# Altium PCB Power_Management_Board.PcbDoc (part 2 of 2)
Units mm, origin at the board's own origin, x right, y up, seen from the top; angles counter-clockwise.
Board outline 210 x 130 mm, 4 copper layers (Top Layer, Layer 1, Layer 2, Bottom Layer), stack 1.606 mm thick; 145 components, 102 nets, 624 pads, 311 vias.
Unrouted connection lines stored in the file: 16.
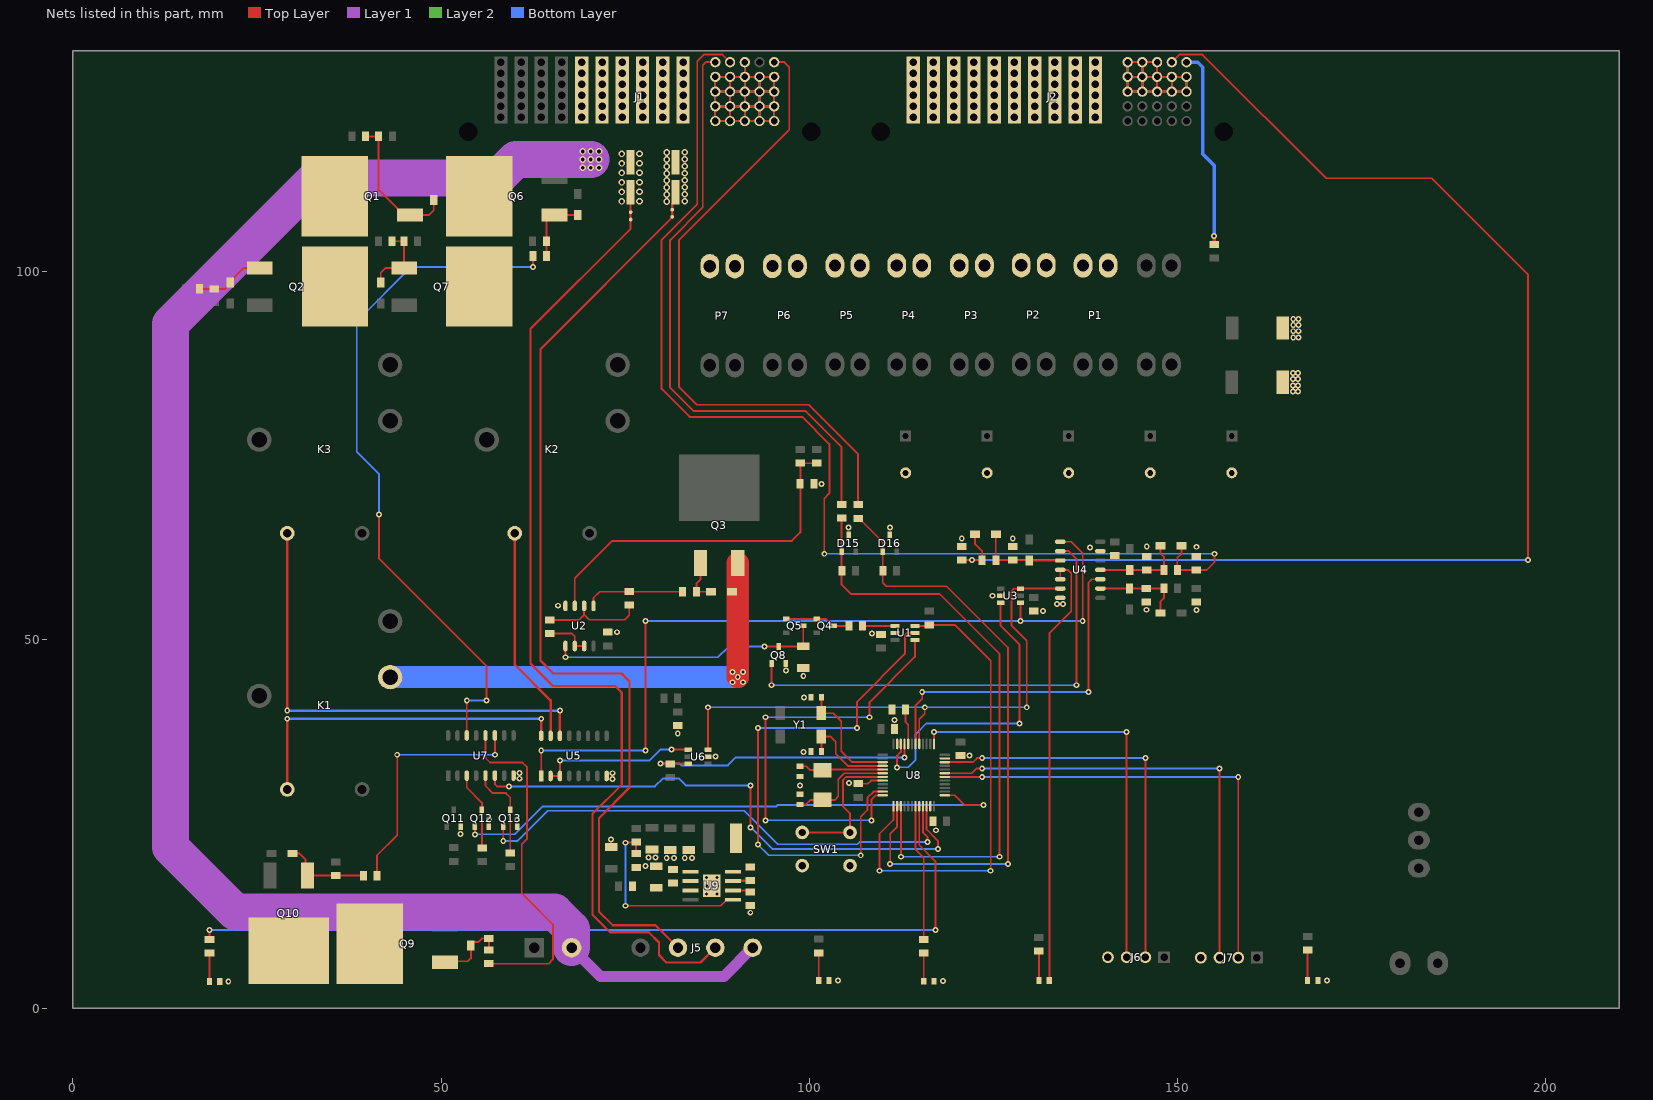
[diagram p4: the nets of this part, all layers, seen from the top]

## Via types
v1: diameter 0.8, hole 0.4, Top Layer to Bottom Layer, tented both sides, 268 vias
v2: diameter 0.9, hole 0.5, Top Layer to Bottom Layer, tented both sides, 37 vias
v3: diameter 0.7, hole 0.4, Top Layer to Bottom Layer, 6 vias

## Nets (pads, with @x,y where several pads share a name; then routed paths per layer and width w, separated by ;. In a path a pad name is that pad's centre, name@x,y a point inside that pad or via, vN(x,y) a via of type N, cw(c..) or ccw(c..) an arc to the next point about the centre after c; other vN are vias at no path point) (continued)
B2_EN_LED: R4.1 U8.19 | length 18.6
  Top Layer w0.25: U8.19@114.45,27.425 114.45,21.5 115.55,20.4 R4.1@115.55,9.3
B2_OFF: Q12.1 U8.25 | length 77.5
  Top Layer w0.25: v1(54.6,23.6) Q12.1@54.6,24.65 ; U8.25@118.425,28.9 119.75,28.9 121.05,27.6 v1(123.65,27.6)
  Bottom Layer w0.25: v1(54.6,23.6) 60,23.6 63.8,27.4 95.55,27.4 95.75,27.6 v1(123.65,27.6)
B2_ON: R17.2 U7.14 | length 94.7
  Top Layer w0.25: v1(41.55,67.05) 41.55,61.1 56.155,46.495 v1(56.155,41.755) ; U7.14@53.495,37.025 v1(53.495,41.755) ; v1(62.475,100.675) R17.2@62.475,102.15
  Bottom Layer w0.25: v1(41.55,67.05) 41.55,72.55 38.55,75.55 38.55,93.25 45.975,100.675 v1(62.475,100.675) ; v1(53.495,41.755) v1(56.155,41.755)
B2_ON_CTRL: Q12.3 R25.2 U7.3 | length 10.7
  Top Layer w0.25: U7.3@53.495,31.575 53.495,29.955 55.55,27.9 Q12.3@55.55,26.95 55.55,21.8 R25.2@55.6,21.75
B2_PRSNT: U4.10 U8.42 | length 46.7
  Top Layer w0.25: U8.42@114.45,35.875 114.45,41.1 115.35,42 v1(115.35,42.95) ; v1(137.95,42.948) 137.95,57.8 138.4,58.25 U4.10@139.55,58.25
  Bottom Layer w0.25: v1(115.35,42.95) v1(137.95,42.948)
B2_PRSNT_EXT: D10.1 J1.A4 R30.1 R31.2 | length 156
  Top Layer w0.25: J1.A4@89.25,128.475 88.225,129.5 85.7,129.5 84.8,128.6 84.8,109.2 79.95,104.35 79.95,84.1 83.75,80.3 99.05,80.3 102.75,76.6 102.75,69.9 102.05,69.2 v1(102.05,61.7) ; D10.1@150.575,62.8 150.575,61.725 150,61.15 150,59.525 R30.1@150.025,59.5 R31.2@152.6,59.5 154,59.5 155.05,60.55 v1(155.05,61.7)
  Bottom Layer w0.25: v1(102.05,61.7) v1(155.05,61.7)
BGND: J1.3 J1.4 J1.5 J1.6 J4.2 J5.4 P9.2 R1.2 R2.2 | length 229.6
  Top Layer w0.3: J4.2@75.75,108.1 R2.2@75.75,110.8
  Layer 1 w1.5: P9.2@67.73,8.2 71.63,4.3 88.43,4.3 J5.4@92.33,8.2
  Layer 1 w5: P9.2@67.73,8.2 67.73,10.72 65.4,13.05 22.05,13.05 13.25,21.85 13.25,92.95 33.05,112.75 57.65,112.75 60.15,115.25 v2(69.25,115.25) v2(70.35,115.25)
  other v2: 74.55,109.56 76.95,109.6 74.55,110.85 76.95,110.89 74.55,112.14 76.95,112.18 74.55,113.43 76.95,113.47 69.25,114.15 70.35,114.15 71.45,114.15 74.55,114.72 76.95,114.76 71.45,115.25 74.55,116.01 76.95,116.05 69.25,116.35 70.35,116.35 71.45,116.35
DAC_CS: R8.1 U1.6 U8.13 | length 65.6
  Top Layer w0.25: v1(109.55,18.65) 109.55,23.65 111.45,25.55 U8.13@111.45,27.425 ; U1.6@114.35,51.9 116.15,51.9 R8.1@116.3,52.05 119.75,52.05 124.65,47.15 v1(124.65,18.65)
  Bottom Layer w0.25: v1(109.55,18.65) v1(124.65,18.65)
ESTOP: U3.6 U4.6 U6.3 U8.41 | length 77.7
  Top Layer w0.25: U6.3@86.25,35.1 v1(86.25,40.85) ; U8.41@114.95,35.875 114.95,39.2 115.7,39.95 v1(115.7,40.85) ; v1(129.55,40.85) 129.55,49.9 127.5,51.95 127.5,56.65 127.8,56.95 U3.6@128.7,56.95 128.715,56.965 134.085,56.965 U4.6@134.1,56.98
  Bottom Layer w0.25: v1(86.25,40.85) v1(115.7,40.85) v1(129.55,40.85)
ESTOP_IN: D12.1 J2.A2 R32.1 R33.2 | length 182.2
  Top Layer w0.25: R33.2@120.725,60.85 v1(122.112,60.85) R32.1@123.5,60.85 123.5,62.05 122.5,63.05 D12.1@122.5,64.35 ; J2.A2@149.25,128.475 150.275,129.5 153.4,129.5 170.2,112.7 184.55,112.7 197.65,99.6 v1(197.65,60.85)
  Bottom Layer w0.25: v1(122.112,60.85) v1(197.65,60.85)
ESTOP_PWR: J2.A1 R5.1 | length 27.2
  Top Layer w0.5: R5.1@155,103.725 v1(155,104.85)
  Bottom Layer w0.5: J2.A1@151.25,128.475 152.775,128.475 153.45,127.8 153.45,116 155,114.45 v1(155,104.85)
GND: C1.1 C2.1 C3.2 C4.1 C5.1 C6.1 C7.1 C8.2 C9.2 C10.2 C11.2 C12.1 C13.2 C16.2 C17.2 C18.2 C19.2 C20.2 C21.2 C22.2 C23.2 C24.2 C26.2 C27.2 C28.2 C29.2 C30.2 C31.2 D15.3 D16.3 D17.1 D18.1 D19.1 D20.1 D21.1 D22.1 J1.1 J1.2 J1.A3 J1.B1 J1.B2 J1.B3 J1.B4 J1.B5 J1.C1 J1.C2 J1.C3 J1.C4 J1.C5 J1.D1 J1.D2 J1.D3 J1.D4 J1.D5 J1.E1 J1.E2 J1.E3 J1.E4 J1.E5 J2.A3 J2.A4 J2.A5 J2.B1 J2.B2 J2.B3 J2.B4 J2.B5 J2.C1 J2.C2 J2.C3 J2.C4 J2.C5 J3.2 J6.4 J7.4 Q8.2 Q11.2 Q12.2 Q13.2 R1.1 R2.1 R16.2 R29.1 R31.1 R33.1 R36.2 R42.2 R47.2 SW1.1 SW1.2 U1.2 U2.4 U3.2 U4.7 U4.13 U5.8 U6.2 U7.8 U8.8 U8.23 U8.35 U8.47 U9.1 U9.9 | length 306.4
  Top Layer w0.25: J1.A3@91.25,128.475 J1.B3@91.25,126.475 ; C11.2@106.65,30.475 107.975,30.475 108.4,30.9 U8.8@109.975,30.9 ; J1.D5@87.25,122.475 J1.C5@87.25,124.475 ; J1.D5@87.25,122.475 J1.E5@87.25,120.475 J1.E4@89.25,120.475 ; J1.D5@87.25,122.475 J1.D4@89.25,122.475 ; J1.C5@87.25,124.475 J1.B5@87.25,126.475 J1.B4@89.25,126.475 ; J1.C5@87.25,124.475 J1.C4@89.25,124.475 ; J1.E4@89.25,120.475 J1.D4@89.25,122.475 ; J1.E4@89.25,120.475 J1.E3@91.25,120.475 ; J1.D4@89.25,122.475 J1.C4@89.25,124.475 ; J1.D4@89.25,122.475 J1.D3@91.25,122.475 ; J1.C4@89.25,124.475 J1.B4@89.25,126.475 ; J1.C4@89.25,124.475 J1.C3@91.25,124.475 ; J1.B4@89.25,126.475 J1.B3@91.25,126.475 ; J1.E3@91.25,120.475 J1.D3@91.25,122.475 ; J1.E3@91.25,120.475 J1.E2@93.25,120.475 ; J1.D3@91.25,122.475 J1.C3@91.25,124.475 ; J1.D3@91.25,122.475 J1.D2@93.25,122.475 ; J1.C3@91.25,124.475 J1.B3@91.25,126.475 ; J1.C3@91.25,124.475 J1.C2@93.25,124.475 ; J1.B3@91.25,126.475 J1.B2@93.25,126.475 ; J1.E2@93.25,120.475 J1.D2@93.25,122.475 ; J1.E2@93.25,120.475 J1.E1@95.25,120.475 J1.D1@95.25,122.475 ; J1.D2@93.25,122.475 J1.C2@93.25,124.475 ; J1.D2@93.25,122.475 J1.D1@95.25,122.475 ; J1.C2@93.25,124.475 J1.B2@93.25,126.475 ; J1.C2@93.25,124.475 J1.C1@95.25,124.475 ; J1.B2@93.25,126.475 J1.B1@95.25,126.475 J1.C1@95.25,124.475 ; J1.D1@95.25,122.475 J1.C1@95.25,124.475 ; J2.B5@143.25,126.475 J2.A5@143.25,128.475 J2.A4@145.25,128.475 ; J2.B5@143.25,126.475 J2.C5@143.25,124.475 J2.C4@145.25,124.475 ; J2.B5@143.25,126.475 J2.B4@145.25,126.475 ; J2.C4@145.25,124.475 J2.B4@145.25,126.475 ; J2.C4@145.25,124.475 J2.C3@147.25,124.475 ; J2.B4@145.25,126.475 J2.A4@145.25,128.475 ; J2.B4@145.25,126.475 J2.B3@147.25,126.475 ; J2.A4@145.25,128.475 J2.A3@147.25,128.475 J2.B3@147.25,126.475 ; J2.C3@147.25,124.475 J2.B3@147.25,126.475 ; J2.C3@147.25,124.475 J2.C2@149.25,124.475 ; J2.B3@147.25,126.475 J2.B2@149.25,126.475 ; J2.C2@149.25,124.475 J2.B2@149.25,126.475 ; J2.C2@149.25,124.475 J2.C1@151.25,124.475 J2.B1@151.25,126.475 J2.B2@149.25,126.475
  Top Layer w0.3: J3.2@81.4,108.45 81.4,109.25 81.85,109.7 R2.1@81.85,110.8
  Layer 2 w0.25: J1.A3@91.25,128.475 J1.B3@91.25,126.475 ; J1.D5@87.25,122.475 J1.C5@87.25,124.475 ; J1.D5@87.25,122.475 J1.E5@87.25,120.475 J1.E4@89.25,120.475 ; J1.D5@87.25,122.475 J1.D4@89.25,122.475 ; J1.C5@87.25,124.475 J1.B5@87.25,126.475 J1.B4@89.25,126.475 ; J1.C5@87.25,124.475 J1.C4@89.25,124.475 ; J1.E4@89.25,120.475 J1.D4@89.25,122.475 ; J1.E4@89.25,120.475 J1.E3@91.25,120.475 ; J1.D4@89.25,122.475 J1.C4@89.25,124.475 ; J1.D4@89.25,122.475 J1.D3@91.25,122.475 ; J1.C4@89.25,124.475 J1.B4@89.25,126.475 ; J1.C4@89.25,124.475 J1.C3@91.25,124.475 ; J1.B4@89.25,126.475 J1.B3@91.25,126.475 ; J1.E3@91.25,120.475 J1.E2@93.25,120.475 ; J1.E3@91.25,120.475 J1.D3@91.25,122.475 ; J1.D3@91.25,122.475 J1.D2@93.25,122.475 ; J1.D3@91.25,122.475 J1.C3@91.25,124.475 ; J1.C3@91.25,124.475 J1.C2@93.25,124.475 ; J1.C3@91.25,124.475 J1.B3@91.25,126.475 ; J1.B3@91.25,126.475 J1.B2@93.25,126.475 ; J1.E2@93.25,120.475 J1.D2@93.25,122.475 ; J1.E2@93.25,120.475 J1.E1@95.25,120.475 J1.D1@95.25,122.475 ; J1.D2@93.25,122.475 J1.C2@93.25,124.475 ; J1.D2@93.25,122.475 J1.D1@95.25,122.475 ; J1.C2@93.25,124.475 J1.B2@93.25,126.475 ; J1.C2@93.25,124.475 J1.C1@95.25,124.475 ; J1.B2@93.25,126.475 J1.B1@95.25,126.475 J1.C1@95.25,124.475 ; J1.D1@95.25,122.475 J1.C1@95.25,124.475 ; J2.B5@143.25,126.475 J2.A5@143.25,128.475 J2.A4@145.25,128.475 ; J2.B5@143.25,126.475 J2.B4@145.25,126.475 ; J2.B5@143.25,126.475 J2.C5@143.25,124.475 J2.C4@145.25,124.475 ; J2.C4@145.25,124.475 J2.C3@147.25,124.475 ; J2.C4@145.25,124.475 J2.B4@145.25,126.475 ; J2.B4@145.25,126.475 J2.B3@147.25,126.475 ; J2.B4@145.25,126.475 J2.A4@145.25,128.475 ; J2.A4@145.25,128.475 J2.A3@147.25,128.475 J2.B3@147.25,126.475 ; J2.C3@147.25,124.475 J2.C2@149.25,124.475 ; J2.C3@147.25,124.475 J2.B3@147.25,126.475 ; J2.B3@147.25,126.475 J2.B2@149.25,126.475 ; J2.C2@149.25,124.475 J2.C1@151.25,124.475 J2.B1@151.25,126.475 J2.B2@149.25,126.475 ; J2.C2@149.25,124.475 J2.B2@149.25,126.475
  Bottom Layer w0.25: J1.A3@91.25,128.475 J1.B3@91.25,126.475 ; J1.E1@95.25,120.475 J1.E1@95.25,120.602 ; J2.B3@147.45,126.75 J2.B3@147.25,126.55 ; J1.D5@87.25,122.475 J1.C5@87.25,124.475 ; J1.D5@87.25,122.475 J1.D4@89.25,122.475 ; J1.D5@87.25,122.475 J1.E5@87.25,120.475 J1.E4@89.25,120.475 ; J1.C5@87.25,124.475 J1.B5@87.25,126.475 J1.B4@89.25,126.475 ; J1.C5@87.25,124.475 J1.C4@89.25,124.475 ; J1.E4@89.25,120.475 J1.D4@89.25,122.475 ; J1.E4@89.25,120.475 J1.E3@91.25,120.475 ; J1.D4@89.25,122.475 J1.C4@89.25,124.475 ; J1.D4@89.25,122.475 J1.D3@91.25,122.475 ; J1.C4@89.25,124.475 J1.B4@89.25,126.475 ; J1.C4@89.25,124.475 J1.C3@91.25,124.475 ; J1.B4@89.25,126.475 J1.B3@91.25,126.475 ; J1.E3@91.25,120.475 J1.D3@91.25,122.475 ; J1.E3@91.25,120.475 J1.E2@93.25,120.475 ; J1.D3@91.25,122.475 J1.C3@91.25,124.475 ; J1.D3@91.25,122.475 J1.D2@93.25,122.475 ; J1.C3@91.25,124.475 J1.B3@91.25,126.475 ; J1.C3@91.25,124.475 J1.C2@93.25,124.475 ; J1.B3@91.25,126.475 J1.B2@93.25,126.475 ; J1.E2@93.25,120.475 J1.D2@93.25,122.475 ; J1.E2@93.25,120.475 95.123,120.475 J1.E1@95.25,120.602 ; J1.D2@93.25,122.475 J1.C2@93.25,124.475 ; J1.D2@93.25,122.475 J1.D1@95.25,122.475 ; J1.C2@93.25,124.475 J1.B2@93.25,126.475 ; J1.C2@93.25,124.475 J1.C1@95.25,124.475 ; J1.B2@93.25,126.475 J1.B1@95.25,126.475 J1.C1@95.25,124.475 ; J1.E1@95.25,120.602 J1.D1@95.25,122.475 ; J1.D1@95.25,122.475 J1.C1@95.25,124.475 ; J2.B5@143.25,126.475 J2.B4@145.25,126.475 ; J2.B5@143.25,126.475 J2.C5@143.25,124.475 J2.C4@145.25,124.475 ; J2.B5@143.25,126.475 J2.A5@143.25,128.475 J2.A4@145.25,128.475 ; J2.C4@145.25,124.475 J2.C3@147.25,124.475 ; J2.C4@145.25,124.475 J2.B4@145.25,126.475 ; J2.B4@145.25,126.475 147.175,126.475 J2.B3@147.25,126.55 ; J2.B4@145.25,126.475 J2.A4@145.25,128.475 ; J2.A4@145.25,128.475 J2.A3@147.25,128.475 J2.B3@147.25,126.55 ; J2.C3@147.25,124.475 J2.C2@149.25,124.475 ; J2.C3@147.25,124.475 J2.B3@147.25,126.475 ; J2.B3@147.25,126.475 J2.B2@149.25,126.475 ; J2.B3@147.25,126.475 J2.B3@147.25,126.55 ; J2.C2@149.25,124.475 J2.B2@149.25,126.475 ; J2.C2@149.25,124.475 J2.C1@151.25,124.475 J2.B1@151.25,126.475 J2.B2@149.25,126.475
  other v1: 21.1,3.6 118.15,3.65 103.9,3.75 170.35,3.75 92,12.95 77.75,19.3 80.65,20.4 81.65,20.4 83.1,20.4 84.1,20.4 78.15,20.45 79.15,20.45 73.1,22.9 52.65,23.65 117.2,24.15 56.5,25.6 60.35,25.6 98.75,30.25 105.4,30.55 73.3,31.1 60.65,31.15 73.3,31.9 60.65,31.95 87.3,34.15 121.75,34.3 99.25,34.8 82.15,37.3 111.6,39.15 99.3,42.2 99.2,45.1 96.85,45.85 108.55,50.85 73.9,51.05 131.75,53.95 152.6,54.05 145.8,54.1 65.9,54.65 133.65,54.9 134.45,54.9 124.9,56 138.15,62.55 152.6,62.65 145.85,62.7 120.725,63.8 127.65,63.8 105.35,65.25 110.95,65.25 101.65,71.2 165.7,83.75 166.4,83.75 165.7,84.583 166.4,84.583 165.7,85.417 166.4,85.417 165.7,86.25 166.4,86.25 165.75,91.1 166.45,91.1 165.75,91.933 166.45,91.933 165.75,92.767 166.45,92.767 165.75,93.6 166.45,93.6
  other v2: 80.65,109.55 83.1,109.6 80.65,110.5 83.1,110.55 80.65,111.45 83.1,111.5 80.65,112.4 83.1,112.45 80.65,113.35 83.1,113.4 80.65,114.3 83.1,114.35 80.65,115.25 83.1,115.3 80.65,116.2 83.1,116.25
  other v3: 86.075,15.515 87.475,15.515 86.075,16.615 87.475,16.615 86.075,17.715 87.475,17.715
I2C_SCL: J1.A5 R35.2 | length 81.9
  Top Layer w0.25: J1.A5@87.25,128.475 85.975,128.475 85.55,128.05 85.55,108.75 81.1,104.3 81.1,84.25 84.25,81.1 99.45,81.1 104.4,76.15 R35.2@104.4,68.4
I2C_SCL_PROT: D15.1 R35.1 R41.2 U8.15 | length 82.2
  Top Layer w0.25: R35.1@104.4,66.55 D15.1@104.4,62 104.4,59.4 104.4,57.5 105.65,56.25 117.7,56.25 125.85,48.1 v1(125.85,20.55) ; v1(112.45,20.55) U8.15@112.45,27.425
  Bottom Layer w0.25: v1(112.45,20.55) v1(125.85,20.55)
I2C_SDA: J1.A1 R34.2 | length 87.1
  Top Layer w0.25: J1.A1@95.25,128.475 96.625,128.475 97.3,127.8 97.3,119.3 82.3,104.3 82.3,84.4 84.75,81.95 99.95,81.95 106.65,75.25 R34.2@106.65,68.197
I2C_SDA_PROT: D16.1 R34.1 R40.2 U8.14 | length 84.6
  Top Layer w0.25: R34.1@106.65,66.525 106.825,66.525 107.175,66.175 107.175,66.125 110,63.3 D16.1@110,62 110,59.65 110,57.75 110.45,57.3 118.65,57.3 127,48.95 v1(127,19.55) ; v1(111,19.55) 111,23.7 111.95,24.65 U8.14@111.95,27.425
  Bottom Layer w0.25: v1(111,19.55) v1(127,19.55)
NetC3_1: C3.1 Q5.3 Q8.3 U2.5 | length 37.2
  Top Layer w0.25: U2.5@66.895,49.175 66.895,47.655 v1(66.9,47.65) ; v1(93.95,49.1) Q8.3@95.85,49.1 95.875,49.125 C3.1@99.2,49.125 Q5.3@99.2,51.9
  Bottom Layer w0.25: v1(66.9,47.65) 87.6,47.65 89.05,49.1 v1(93.95,49.1)
NetC5_2: C5.2 D8.2 D9.2 R28.2 U4.9 | length 12.2
  Top Layer w0.25: U4.9@139.55,56.98 143.495,56.98 D8.2@143.5,56.975 C5.2@145.8,56.975 148.15,56.975 R28.2@148.175,57 148.175,55.675 147.725,55.225 D9.2@147.725,53.65
NetC6_2: C6.2 D10.2 D11.2 R30.2 U4.11 | length 12.1
  Top Layer w0.25: U4.11@139.55,59.52 143.53,59.52 D11.2@143.55,59.5 C6.2@145.85,59.5 R30.2@148.175,59.5 148.175,61.275 147.725,61.725 D10.2@147.725,62.8
NetC7_2: C7.2 D12.2 D13.2 R32.2 U4.3 | length 12.3
  Top Layer w0.25: D12.2@125.35,64.35 R32.2@125.35,60.85 127.625,60.85 C7.2@127.65,60.825 129.875,60.825 D13.2@129.9,60.8 129.91,60.79 U4.3@134.1,60.79
NetC14_1: C14.1 R39.2 U2.2 | length 14.2
  Top Layer w0.25: R39.2@64.75,52.725 64.775,52.7 68.7,52.7 69.435,53.435 ; U2.2@69.435,54.625 69.435,53.435 ; C14.1@75.55,54.725 75.55,53.35 74.95,52.75 70.12,52.75 69.435,53.435
NetC14_2: C14.2 R12.1 U2.1 | length 13.6
  Top Layer w0.25: U2.1@70.705,54.625 70.705,55.705 71.55,56.55 75.15,56.55 R12.1@82.825,56.55
NetC15_2: C15.2 R13.2 R16.1 U2.3 | length 48.6
  Top Layer w0.25: U2.3@68.165,54.625 68.165,58.365 73.25,63.45 97.65,63.45 98.8,64.6 98.8,71.225 R13.2@98.8,74.025 98.825,74 100.975,74 C15.2@101,74.025
  Top Layer w0.3: R16.1@98.75,71.225 R16.1@98.775,71.2
NetC16_1: C16.1 U8.3 Y1.1 | length 15.6
  Top Layer w0.25: C16.1@101.65,42.2 Y1.1@101.65,40.05 103.25,40.05 104.35,38.95 104.35,34.9 105.85,33.4 U8.3@109.975,33.4
NetC17_1: C17.1 U8.4 Y1.2 | length 13
  Top Layer w0.25: C17.1@101.65,34.85 Y1.2@101.65,36.875 102.925,36.875 103.6,36.2 103.6,34.55 105.25,32.9 U8.4@109.975,32.9
NetC18_1: C18.1 U8.5 Y2.1 | length 11.5
  Top Layer w0.25: C18.1@98.75,32.85 99.6,32.85 100.1,32.35 101.8,32.35 101.85,32.4 U8.5@109.975,32.4
NetC19_1: C19.1 U8.6 Y2.2 | length 14.4
  Top Layer w0.25: C19.1@98.75,27.65 99.55,27.65 100.15,28.25 101.8,28.25 103.45,28.25 103.95,28.75 103.95,31.1 104.75,31.9 U8.6@109.975,31.9
NetC25_1: C25.1 U9.7 | length 2.4
  Top Layer w0.35: U9.7@89.65,17.25 89.688,17.288 91.962,17.288 C25.1@92,17.325
NetC25_2: C25.2 L1.1 U9.8
NetC26_1: C26.1 C29.1 L2.2 U9.2 U9.3
NetC31_1: C31.1 U9.6 | length 2.4
  Top Layer w0.3: U9.6@89.65,15.98 91.795,15.98 C31.1@92,15.775
NetD1_2: D1.2 Q1.1 R6.2 R9.1 | length 19.6
  Top Layer w0.25: R9.1@39.75,118.4 R6.2@41.525,118.4 41.525,111.133 44.938,107.72 Q1.1@45.8,107.72 48.37,107.72 49,108.35 D1.2@49,109.725
NetD2_2: D2.2 Q2.1 R7.2 R10.1 | length 9.5
  Top Layer w0.25: R10.1@17.3,97.675 R7.2@19.2,97.675 20.675,97.675 21.35,98.35 D2.2@21.35,98.525 21.35,98.7 23.19,100.54 Q2.1@25.387,100.54
NetD3_1: D3.1 K1.5 Q3.3 | length 62.7
  Top Layer w3: v1(90.3,44.95) Q3.3@90.3,60.45
  Bottom Layer w3: K1.5@43.08,44.94 v1@90.3,44.94
  other v1: 89.6,44.25 91,44.25 89.6,45.65 91,45.65
NetD3_2: D3.2 Q3.1 R12.2 | length 6.1
  Top Layer w0.25: Q3.1@85.22,60.45 85.22,58.17 84.675,57.625 R12.2@84.675,56.55 D3.2@86.65,56.55
NetD4_2: D4.2 Q6.1 R14.2 R17.1 | length 9.4
  Top Layer w0.25: R17.1@64.325,102.15 64.325,104.125 R14.2@64.3,104.15 64.3,106.955 65.065,107.72 Q6.1@65.4,107.72 65.42,107.7 D4.2@68.55,107.7
NetD5_2: D5.2 Q7.1 R15.2 R18.1 | length 10
  Top Layer w0.25: D5.2@41.8,98.575 41.8,99.85 42.49,100.54 Q7.1@44.987,100.54 44.987,104.138 R15.2@44.975,104.15 R18.1@43.325,104.15
NetD6_2: D6.2 Q9.1 R19.2 R22.1 | length 10
  Top Layer w0.25: Q9.1@50.55,6.22 50.68,6.35 53.65,6.35 54.05,6.75 D6.2@54.05,8.475 54.05,8.575 54.425,8.95 55.05,8.95 55.575,9.475 R19.2@56.5,9.475 56.5,7.925 R22.1@56.45,7.875
NetD7_2: D7.2 Q10.1 R20.2 R23.1 | length 12
  Top Layer w0.25: D7.2@29.8,21 30.75,21 31.6,20.15 31.6,18.25 Q10.1@31.85,18 R20.2@35.7,18 R23.1@39.45,18
NetD14_1: D14.1 U4.4 U4.5 | length 59.5
  Top Layer w0.25: D14.1@132.6,3.75 132.65,3.8 132.65,50.95 135.6,53.9 135.6,59.05 135.13,59.52 U4.4@134.1,59.52 U4.5@134.1,58.25
NetD14_2: D14.2 R27.2 | length 4
  Top Layer w0.25: D14.2@131.2,3.75 R27.2@131.2,7.75
NetD17_2: D17.2 R3.2 | length 3.8
  Top Layer w0.25: D17.2@101.3,3.75 R3.2@101.3,7.5
NetD18_2: D18.2 R4.2 | length 3.8
  Top Layer w0.25: D18.2@115.55,3.65 R4.2@115.55,7.45
NetD19_2: D19.2 R37.2 | length 3.8
  Top Layer w0.25: D19.2@18.55,3.6 R37.2@18.55,7.45
NetD20_2: D20.2 R38.2 | length 4.2
  Top Layer w0.25: D20.2@167.7,3.75 R38.2@167.7,7.9
NetJ3_1: J3.1 J5.2 | length 126.7
  Top Layer w0.3: J3.1@81.4,107.45 81.4,107.396 63.5,89.496 63.5,47.2 65.25,45.45 74.5,45.45 75.6,44.35 75.6,29.95 71.45,25.8 71.45,13.1 73.3,11.25 79.12,11.25 J5.2@82.17,8.2
NetJ4_1: J4.1 J5.3 | length 133
  Top Layer w0.3: J4.1@75.75,107.1 75.75,105.85 62.15,92.25 62.15,46.8 65.2,43.75 73.65,43.75 74.55,42.85 74.55,30.35 70.55,26.35 70.55,12.7 72.95,10.3 78.2,10.3 79.6,8.9 79.6,7.2 80.6,6.2 85.25,6.2 J5.3@87.25,8.2
NetQ1_4: Q1.4 Q2.4
NetQ4_1: Q4.1 Q4.3 Q5.1 R11.2 | length 8.9
  Top Layer w0.25: Q5.1@96.9,52.85 Q4.1@101.05,52.85 102.25,52.85 103.2,51.9 Q4.3@103.35,51.9 R11.2@105.375,51.9
NetQ6_4: Q6.4 Q7.4
NetQ8_1: Q8.1 U4.2 | length 64.3
  Top Layer w0.25: v1(94.9,43.85) Q8.1@94.9,46.8 ; U4.2@134.1,62.06 135.24,62.06 136.3,61 v1@136.3,43.838
  Bottom Layer w0.25: v1(94.9,43.85) v1@136.45,43.85
  other v1: 136.3,43.85
NetQ9_4: Q9.4 Q10.4
NetR11_1: R11.1 U1.1 | length 4.4
  Top Layer w0.25: R11.1@107.225,51.9 U1.1@111.65,51.9
NetR36_1: R36.1 U8.44 | length 4.8
  Top Layer w0.25: R36.1@113.1,40.55 113.1,38.85 113.45,38.5 U8.44@113.45,35.875
NetR39_1: R39.1 U2.6 U2.7 | length 6.2
  Top Layer w0.25: R39.1@64.75,50.875 67.775,50.875 68.165,50.485 U2.6@68.165,49.175 U2.7@69.435,49.175
NetR42_1: R42.1 R45.1 U9.5 | length 26.7
  Top Layer w0.25: v1(75.05,13.9) 88,13.9 88.675,14.575 88.675,14.585 88.8,14.71 U9.5@88.81,14.71 ; v1(75.05,22.45) 75.088,22.488 R45.1@76.463,22.488 ; R42.1@76.5,20.975 R45.1@76.5,22.525
  Top Layer w0.35: v1@74.9,22.45 v1(75.05,22.45) ; R45.1@76.463,22.488 R45.1@76.5,22.525 ; U9.5@88.8,14.71 U9.5@89.65,14.71
  Bottom Layer w0.25: v1(75.05,13.9) v1(75.05,22.45)
NetSW1_3: SW1.3 SW1.4 U8.7 | length 19.7
  Top Layer w0.25: SW1.4@99.05,23.85 SW1.3@105.55,23.85 ; SW1.3@105.45,23.75 SW1.3@105.55,23.85 ; U8.7@109.975,31.4 105,31.4 104.6,31 104.6,27.35 105.55,26.4 SW1.3@105.55,23.85
NetU5_2: U5.2 U5.3 U6.4 | length 21.4
  Top Layer w0.25: U5.2@64.875,31.525 U5.3@66.145,31.525 v1(66.145,33.645) v1@66.15,33.65 ; v1(81.3,35.1) U6.4@83.55,35.1
  Bottom Layer w0.25: v1(66.145,33.645) 78.345,33.645 79.8,35.1 v1(81.3,35.1)
OUT1: J2.1 J2.2 P1.1
OUT2: J2.3 J2.4 P2.1
OUT3: J2.5 J2.6 P3.1
OUT4: J2.7 P4.1
OUT5: J2.8 P5.1
OUT6: J2.9 P6.1
OUT7: J2.10 P7.1
PSU_EN: R23.2 U7.11 | length 33.4
  Top Layer w0.25: R23.2@41.3,18 41.3,20.75 44.045,23.495 v1(44.045,34.405) ; v1(57.305,34.405) U7.11@57.305,37.025
  Bottom Layer w0.25: v1(44.045,34.405) v1(57.305,34.405)
PSU_EN_3V3: U7.6 U8.22 | length 75.7
  Top Layer w0.25: U7.6@57.305,31.575 57.305,30.395 57.6,30.1 v1(59.25,30.1) ; v1(92.05,24.55) v1(92.05,30.227) ; U8.22@115.95,27.425 115.95,24.25 117.477,22.723 117.477,21.623 v1(117.5,21.6)
  Bottom Layer w0.25: v1(59.25,30.1) 79.05,30.1 80.15,31.2 82.3,31.2 83.25,30.25 v1@92.05,30.25 ; v1(92.05,24.55) 94.977,21.623 v1@117.5,21.623
PSU_EN_LED: R37.1 U8.20 | length 117.6
  Top Layer w0.25: R37.1@18.55,9.3 v1(18.55,10.6) ; U8.20@114.95,27.425 114.95,22.15 117.15,19.95 v1(117.15,10.6)
  Bottom Layer w0.25: v1(18.55,10.6) v1(117.15,10.6)
PSU_OFF: Q13.1 U8.21 | length 68.4
  Top Layer w0.25: v1(58.45,22.7) Q13.1@58.45,24.65 ; U8.21@115.45,27.425 115.45,23.85 116.05,23.25 v1(116.05,22.55)
  Bottom Layer w0.25: v1(58.45,22.7) 60.4,22.7 64.5,26.8 91.15,26.8 95.7,22.25 106.55,22.25 106.85,22.55 v1(116.05,22.55)
PSU_ON: R22.2 U7.12 | length 46.8
  Top Layer w0.25: U7.12@56.035,37.025 56.035,33.965 56.65,33.35 61.05,33.35 61.65,32.75 61.65,22.95 ; R22.2@56.45,6.025 64.625,6.025 65.2,6.6 65.2,11.35 61.65,14.9 60.95,15.6 60.95,22.25 61.65,22.95 ; 61.65,23.35 61.65,22.95
PSU_ON_CTRL: Q13.3 R26.2 U7.5 | length 12.9
  Top Layer w0.25: U7.5@56.035,31.575 56.035,30.215 57.05,29.2 58.8,29.2 59.4,28.6 Q13.3@59.4,26.95 R26.2@59.4,21.075
SPI_CLK: U1.5 U8.11 | length 71.2
  Top Layer w0.25: v1(93.05,22.2) v1(93.05,38.05) ; v1(106.5,38.05) 106.5,41.6 113,48.1 113,50.65 113.3,50.95 U1.5@114.35,50.95 ; v1(107,20.75) 107,26 107.9,26.9 107.9,28.55 108.75,29.4 U8.11@109.975,29.4
  Bottom Layer w0.25: v1(93.05,22.2) 94.5,20.75 v1(107,20.75) ; v1(93.05,38.05) v1(106.5,38.05)
SPI_MOSI: U1.4 U8.12 | length 60.2
  Top Layer w0.25: v1(94.05,25.5) v1(94.05,39.5) ; v1(108.2,39.5) 108.2,41.55 114.35,47.7 U1.4@114.35,50 ; v1(108.45,25.5) 108.45,28.3 109.05,28.9 U8.12@109.975,28.9
  Bottom Layer w0.25: v1(94.05,25.5) v1(108.45,25.5) ; v1(94.05,39.5) v1(108.2,39.5)
SS_BEGIN: U3.3 U8.46 | length 42
  Top Layer w0.25: v1(111.95,32.7) 111.95,34.3 112.45,34.8 U8.46@112.45,35.875 ; U3.3@126,55.05 126,51.95 128.55,49.4 v1(128.55,38.65)
  Bottom Layer w0.25: v1(111.95,32.7) 113.45,32.7 114.45,33.7 114.45,37.2 115.9,38.65 v1(128.55,38.65)
SS_BYPASS_RELAY_1: K2.2 U5.15 | length 29.5
  Top Layer w0.35: K2.2@60.01,64.5 60.01,46.64 64.875,41.775 U5.15@64.875,36.975
SS_BYPASS_RELAY_2: K3.2 U5.14 | length 64.6
  Top Layer w0.35: v1(29.11,40.4) K3.2@29.11,64.5 ; U5.14@66.145,36.975 v1(66.145,40.405)
  Bottom Layer w0.35: v1@29.11,40.405 v1(66.145,40.405)
SS_DONE: R21.1 U6.6 U8.45 | length 39.3
  Top Layer w0.25: v1(79.8,33.2) 81.125,33.2 R21.1@81.15,33.175 ; R21.1@81.15,33.2 U6.6@83.55,33.2 ; v1(112.95,34.05) U8.45@112.95,35.875
  Bottom Layer w0.25: v1(79.8,33.2) 82.4,33.2 82.65,32.95 88.95,32.95 90.05,34.05 v1(112.95,34.05)
SS_RELAY_ON: U3.4 U4.1 U5.1 | length 110
  Top Layer w0.25: U5.1@63.605,31.525 v1(63.605,34.995) ; v1(77.75,34.995) v1(77.75,52.55) ; v1(128.7,52.55) U3.4@128.7,55.05 ; U4.1@134.1,63.33 135.62,63.33 137.15,61.8 v1(137.15,52.55)
  Bottom Layer w0.25: v1(63.605,34.995) v1(77.75,34.995) ; v1(77.75,52.55) v1(128.7,52.55) v1(137.15,52.55)
SS_RELAY_PWR: K1.2 U5.16 | length 46.4
  Top Layer w0.35: K1.2@29.11,29.7 v1(29.11,39.295) ; v1@63.6,39.3 v1(63.605,39.295) U5.16@63.605,36.975
  Bottom Layer w0.35: v1@29.1,39.295 v1(29.11,39.295) v1(63.605,39.295)
SWDCLK: J6.3 U8.37 | length 58.4
  Top Layer w0.25: U8.37@116.95,35.875 v1(116.95,37.5) ; J6.3@143.12,6.9 v1(143.12,37.5)
  Bottom Layer w0.25: v1(116.95,37.5) v1@143.129,37.5
SWDIO: J6.2 U8.34 | length 54.5
  Top Layer w0.25: U8.34@118.425,33.4 122.25,33.4 122.8,33.95 v1(123.5,33.95) ; J6.2@145.66,6.9 v1(145.66,33.95)
  Bottom Layer w0.25: v1(123.5,33.95) v1@145.663,33.95
USART1_RX: J7.3 U8.31 | length 63.3
  Top Layer w0.25: U8.31@118.425,31.9 122.1,31.9 122.75,32.55 v1(123.5,32.55) ; J7.3@155.74,6.85 v1(155.74,32.54)
  Bottom Layer w0.25: v1(123.5,32.55) v1@155.74,32.55
USART1_TX: J7.2 U8.30 | length 64.4
  Top Layer w0.25: U8.30@118.425,31.4 v1(123.5,31.4) ; J7.2@158.28,6.85 v1(158.28,31.38)
  Bottom Layer w0.25: v1(123.5,31.4) v1@158.28,31.4
pads on no net: J1.0 J2.0 K1.4 K2.4 K3.4 S1.0 S1.3 U4.12 U5.4 U5.5 U5.6 U5.7 U5.10 U5.11 U5.12 U5.13 U7.7 U7.10 U8.2 U8.16 U8.17 U8.29 U8.32 U8.33 U8.38 U8.39 U8.40 U9.4 Y1.3 Y1.4

## Polygon pours and split planes (outlines as drawn)
GND on Bottom Layer "Bottom_GND" (solid, pour order 11): 0,0 210,0 210,130 0,130
BGND on Bottom Layer "Bottom_BGND" (solid, pour order 0): 78.3,129.3 68.2,129.3 68.2,112.85 72.05,109 78.3,109
+24_OUT on Bottom Layer "Bottom_24_OUT" (solid, pour order 6): 95.75,76.9 95.75,64.5 74.7,64.5 74.7,76.9 42,76.9 40.6,78.3 40.6,81.2 54.8,95.4 68.2,95.4 158.4,95.4 158.4,76.9
GND on Top Layer "Top_GND" (solid, pour order 10): 0,0 210,0 210,130 0,130
BGND on Top Layer "BGND_L01_P002" (solid, pour order 2): 78.3,129.3 68.2,129.3 68.2,112.85 72.05,109 78.3,109
+24V on Top Layer "Top-24V" (solid, pour order 5): 17.25,16.25 27.65,16.25 27.65,66.15 29.5,68 51.8,68 59.2,75.4 59.2,84.2 47,96.4 15.95,96.4 10.9,91.35 10.9,22.6
GND on Layer 2 "L2-GND" (solid, pour order 8): 0,0 210,0 210,130 0,130
+24_OUT on Layer 2 "L2_+24_OUT" (solid, pour order 4): 95.75,76.9 95.75,64.55 74.7,64.55 74.7,76.9 42,76.9 40.6,78.3 40.6,81.2 54.8,95.4 68.2,95.4 158.45,95.4 158.45,76.9
+3.3 on Layer 1 "+3.3_L02_P007" (solid, pour order 7): 80.5,30.55 76.55,26.6 76.55,25.108 80.5,21.1 80.5,0 173.9,0 173.9,75.5 80.5,75.5
+24V on Layer 1 "L1_+24V" (solid, pour order 3): 79.65,20.85 75.65,24.85 75.65,26.737 79.65,30.737 79.65,76.25 159.05,76.25 159.05,96.35 79.65,96.35 23.3,96.4 17.9,91 17.9,0 79.65,0
BGND on Layer 1 "BGND_L02_P009" (solid, pour order 9): 78.7,129.3 67.8,129.3 67.8,113.25 72.05,109 78.7,109

## Other copper
Top Layer:
  region net +3.3: 75.85,23.9 77.4,23.9 78.25,23.05 84.65,23.05 85.5,22.2 85.5,21 87.2,21 87.2,25.3 86.25,26.25 75.85,26.25
  region net NetC26_1: 85,15.75 75.45,15.75 75.45,17.5 85,17.5
  region net NetC25_2: 90.85,18.25 91.25,18.65 92.65,18.65 92.65,19.7 90.85,21.5 90.85,25.05 89.25,25.05 89.25,20.05 88.55,19.35 88.55,18.25
  region net +24V: 74.6,15.9 72.15,15.9 72.15,19.5 74,19.5 74.6,18.9
  region net +24_OUT: 158.35,90.7 154.95,90.7 154.95,94 158.35,94
  region net +24V: 158.3,83.35 154.9,83.35 154.9,86.65 158.3,86.65
  region net OUT2: 134.3,103.8 133.45,102.95 133.45,100.8 127.55,100.8 127.55,103.25 129.75,105.45 129.75,129.25 134.3,129.25
  region net NetQ9_4: 35.95,14.2 23.85,14.2 23.85,3.3 35.95,3.3
  region net +PSU: 48.8,12.75 48.8,10.4 60.45,10.4 61.3,9.55 61.3,6.85 64,6.85 64,11.1 61.25,13.85 49.9,13.85
  region net +3.3: 110.25,39.65 110.25,37.15 110.8,36.6 111.45,36.6 111.45,35.15 111.1,35.15 110.7,34.75 110.7,34.4 109.25,34.4 109.25,39.65
  region net +3.3: 118.2,23.6 118.2,26.25 117.75,26.7 116.95,26.7 116.95,28.15 117.9,28.15 119.2,26.85 119.2,23.6
  region net +3.3: 122.25,35.65 119.6,35.65 119.15,35.2 119.15,34.4 117.7,34.4 117.7,35.35 119,36.65 122.25,36.65
  region net +24V_SBY: 142.9,122.75 142.9,120.2 151.6,120.2 151.6,122.75
  region net +24_OUT: 74.725,77.825 73.4,79.15 74.575,80.325 75.9,79 95.75,79 95.75,64.55 74.725,64.55
  region net OUT7: 100.8,116.75 99.2,116.75 85.25,102.8 85.25,100.65 91.15,100.65 91.15,101.1 107.35,117.3 107.35,119.65 108.6,120.9 111.65,120.9 112.35,120.2 115,120.2 115,129.25 115.05,129.3 113.25,129.3 113.25,125.55 111.6,123.9 105.25,123.9 102.7,121.35 102.7,118.65
  region net OUT6: 99.65,100.75 117.8,118.9 117.8,129.3 115.95,129.3 115.95,120.15 112.3,116.5 107.45,116.5 93.75,102.8 93.75,100.75
  region net OUT5: 108.15,100.8 108.15,102.4 120.5,114.75 120.5,129.3 118.7,129.3 118.7,119.25 102.25,102.8 102.25,100.8
  region net OUT4: 116.55,100.8 116.55,102.9 123.25,109.6 123.25,129.3 121.5,129.3 121.5,114.8 110.65,103.95 110.65,100.8
  region net OUT3: 125.05,100.85 125.05,102.05 128.8,105.8 128.8,129.3 124.2,129.3 124.2,109.4 119.15,104.35 119.15,100.85
  region net OUT1: 142.55,103.65 141.85,102.95 141.85,100.85 135.95,100.85 135.95,102.9 135.2,103.65 135.2,103.75 135.2,129.3 139.8,129.3 139.8,118.1 142.55,115.35
  region net NetQ1_4: 31.1,105.3 31.1,103 40.1,103 40.1,105.3
  region net NetQ6_4: 50.7,105.3 50.7,103 59.7,103 59.7,105.3
  region net +B1: 49.5,111.9 49.5,118.1 52.5,121.1 56.3,121.1 57.3,120.1 61.8,120.1 61.8,129.3 49.9,129.3 42.9,122.3 42.9,113 44,111.9
  region net +B2: 67.4,119.7 68.1,119 68.1,112.6 67.4,111.9 62.85,111.9 61.9,112.85 61.9,118.95 62.6,119.65 62.6,129.3 67.4,129.3
Layer 1:
  region net OUT1: 142.55,103.65 141.85,102.95 141.85,100.85 135.95,100.85 135.95,102.9 135.2,103.65 135.2,103.75 135.2,129.3 139.8,129.3 139.8,118.1 142.55,115.35
  region net OUT2: 134.3,103.8 133.45,102.95 133.45,100.8 127.55,100.8 127.55,103.25 129.75,105.45 129.75,129.25 134.3,129.25
  region net OUT3: 125.05,100.85 125.05,102.05 128.8,105.8 128.8,129.3 124.2,129.3 124.2,109.4 119.15,104.35 119.15,100.85
  region net OUT4: 116.55,100.8 116.55,102.9 123.25,109.6 123.25,129.3 121.5,129.3 121.5,114.8 110.65,103.95 110.65,100.8
  region net OUT5: 108.15,100.8 108.15,102.4 120.5,114.75 120.5,129.3 118.7,129.3 118.7,119.25 102.25,102.8 102.25,100.8
  region net OUT6: 99.65,100.75 99.65,101.3 117.8,119.45 117.8,129.3 115.95,129.3 115.95,120.15 112.3,116.5 107.45,116.5 93.75,102.8 93.75,100.75
  region net OUT7: 100.8,116.75 99.2,116.75 85.25,102.8 85.25,100.65 91.15,100.65 91.15,101.1 107.35,117.3 107.35,119.65 108.6,120.9 111.65,120.9 112.35,120.2 115,120.2 115,129.25 115.05,129.3 113.25,129.3 113.25,125.55 111.6,123.9 105.25,123.9 102.7,121.35 102.7,118.65

## Silkscreen, mask and mechanical layers (free items; w line width, h text height)
Top Overlay:
  lines w0.25: 16.7,0.5 22.1,0.5 22.1,4.8 16.7,4.8 16.7,0.5 ; 99.45,0.65 99.45,4.95 104.85,4.95 104.85,0.65 99.45,0.65 ; 113.7,0.55 113.7,4.85 119.1,4.85 119.1,0.55 113.7,0.55 ; 127.95,0.6 127.95,4.9 136.15,4.9 136.15,0.6 127.95,0.6 ; 163.9,0.65 163.9,4.95 172.9,4.95 172.9,0.65 163.9,0.65
  text "Power Management System / for NASA RMC 2021 / Rev 1.0" at 165.5,72.677 h2.5
  text "C" at 171,49.964 h8
  text "(c) 2021 CWRUbotix / cwrubotix.org" at 165.9,43.502 h2.5
  text "Design Team: / - Luca Campaglia / - Adam Cordingley / - Kyle Wang" at 169.15,29.577 h2.5
  text "VIN" at 60.3,11.345 h2.5
  text "24V" at 74.85,11.295 h2.5
  text "BGND" at 65.85,11.269 h2.5
  text "S+" at 80.85,11.269 h2.5
  text "S-" at 86.3,11.219 h2.5
  text "BGND" at 90.25,10.669 h2.5
  text "IO" at 144.839,5.475 h2.5 r270
  text "GND" at 139.739,5.326 h2.5 r270
  text "CLK" at 142.289,5.243 h2.5 r270
  text "3V3" at 147.55,5.251 h2.5 r270
  text "3V3" at 160.18,5.201 h2.5 r270
  text "GND" at 152.419,5.176 h2.5 r270
  text "RX" at 154.919,5.119 h2.5 r270
  text "TX" at 157.469,5.075 h2.5 r270
  text "B1" at 100.425,0.813 h2.5
  text "B2" at 114.775,0.713 h2.5
  text "ESTOP" at 128.441,0.713 h2.5
  text "PSU" at 17.321,0.613 h2.5
  text "3V3 OK" at 164.036,0.519 h2.5
Top Solder:
  region: 95,104.95 106.75,116.7 106.75,123.9 105.25,123.9 103.25,121.9 103.25,116.75 99.2,116.75 88.4,105.95 88.4,104.95
  region: 112.3,116.5 107.45,116.5 96.75,105.8 96.75,105 103.9,105 113.85,114.95
  region: 120.5,116.5 115.95,116.5 105.15,105.7 105.15,105 110.75,105 120.5,114.75
  region: 123.25,116.5 121.5,116.5 121.5,114.8 112.4,105.7 112.4,105 118.65,105 123.25,109.6
  region: 128.8,116.55 124.2,116.55 124.2,109.4 120.65,105.85 120.65,105 128,105 128.8,105.8
  region: 134.3,116.55 129.75,116.55 129.75,105.45 129.75,105 134.3,105
  region: 135.2,116.55 141.35,116.55 142.55,115.35 142.55,104.95 135.2,104.95
Bottom Solder:
  region: 133.6,76.9 133.6,78.8 134.1,79.3 136.45,79.3 136.95,78.8 136.95,76.9 143.3,76.9 143.3,84.7 78.3,84.7 72.4,84.7 71.1,86 71.1,95.4 54.85,95.4 44.15,84.7 44.1,84.7 42.95,83.55 45.5,81 45.5,76.9 52.3,76.9 55,79.6 57.4,79.6 60.1,76.9 67.3,76.9 71.1,76.9 71.1,80.95 72.45,82.3 75.2,82.3 76.6,80.9 76.6,76.9 111.3,76.9 111.3,79.05 111.8,79.55 114.4,79.55 114.9,79.05 114.9,76.9 122.4,76.9 122.4,79.05 122.9,79.55 125.5,79.55 126,79.05 126,76.9
  region: 70.85,88.6 72.45,90.2 143.3,90.2 143.3,95.4 70.85,95.4
Mechanical 1:
  the board outline again, w0.05